# Altium PCB STM32_F407.PcbDoc (part 2 of 2)
Units mil, origin at the board's own origin, x right, y up, seen from the top; angles counter-clockwise.
Board outline 2935.42 x 3745.42 mil, 2 copper layers (TopLayer, BottomLayer); 75 components, 133 nets, 531 pads, 175 vias.
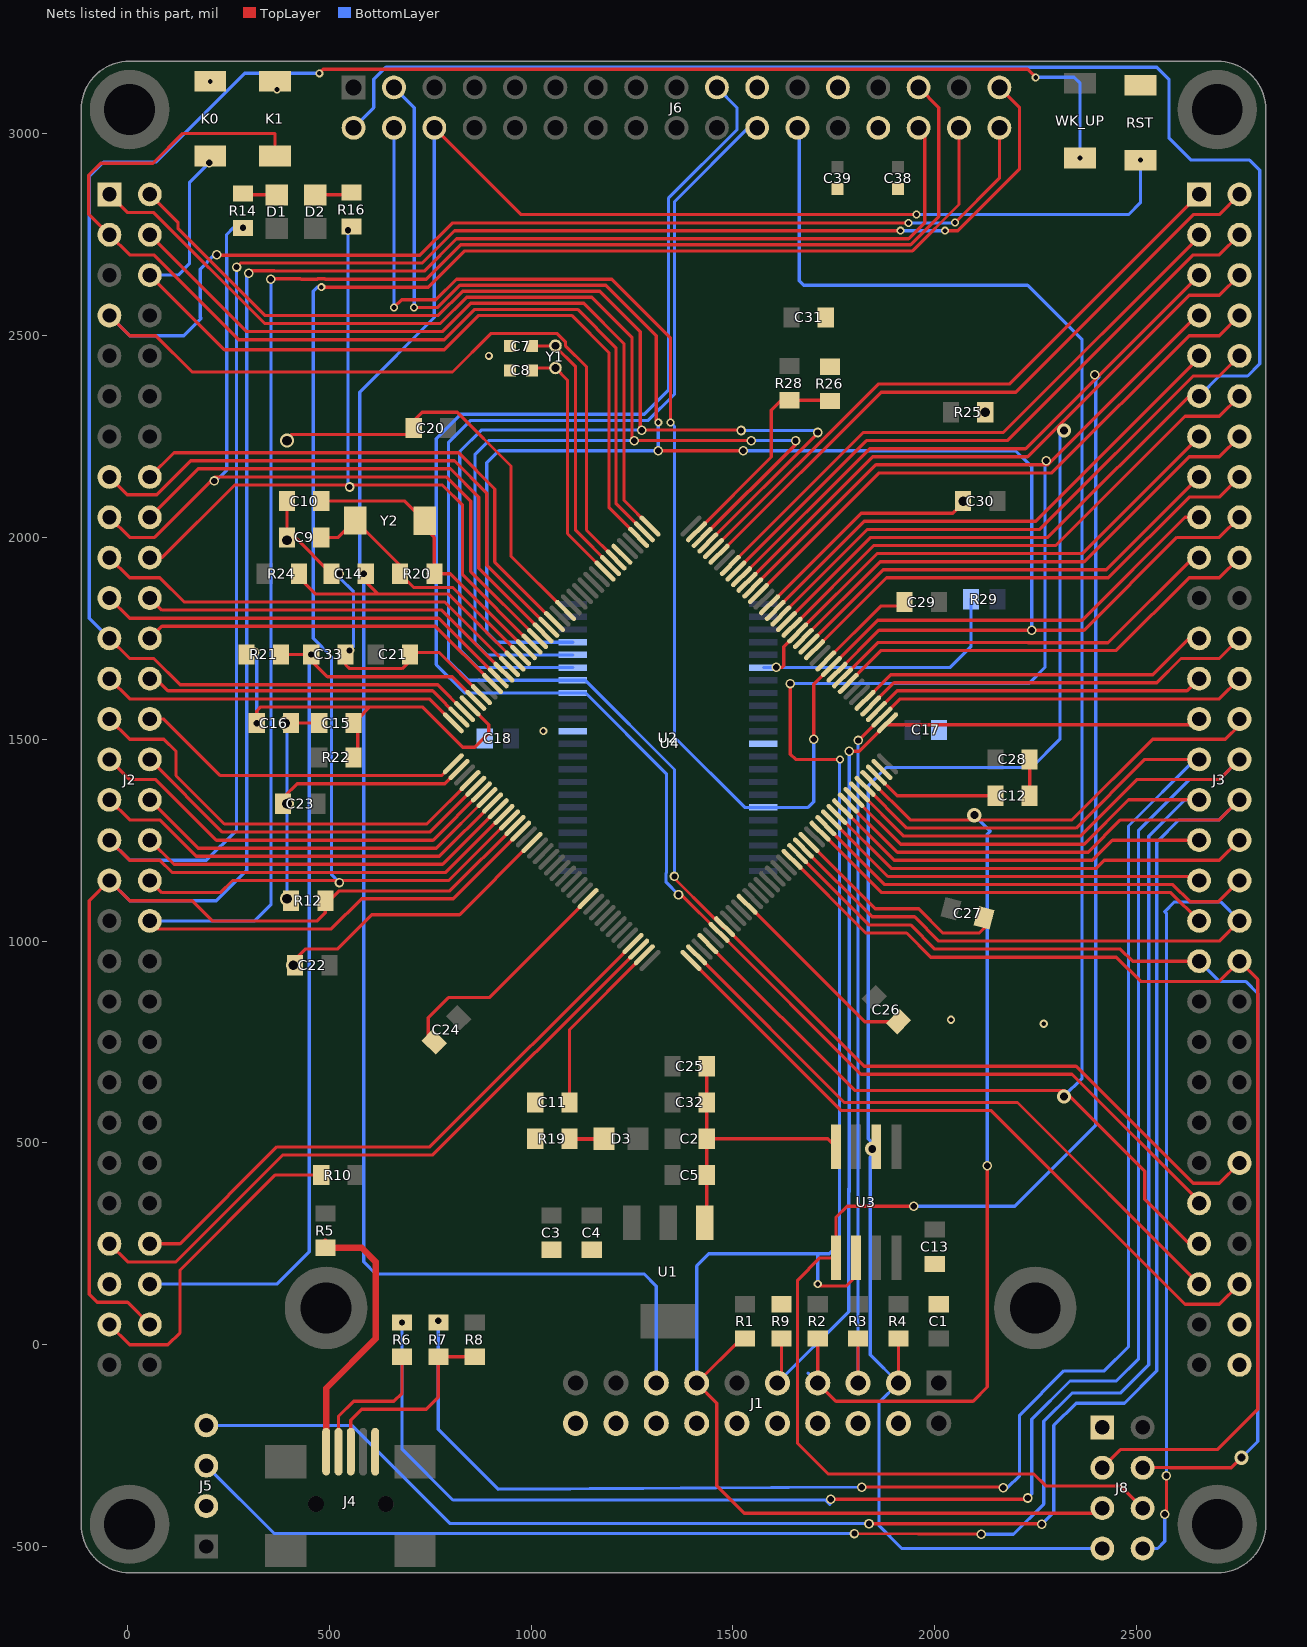
[diagram p2: the nets of this part, all layers, seen from the top]

## Via types
v1: diameter 23.62, hole 15.75, TopLayer to BottomLayer, 92 vias
v2: diameter 20, hole 12, TopLayer to BottomLayer, 62 vias
v3: diameter 35.43, hole 19.68, TopLayer to BottomLayer, 11 vias
v4: diameter 35.43, hole 23.62, TopLayer to BottomLayer, 10 vias

## Nets (pads, with @x,y where several pads share a name; then routed paths per layer and width w, separated by ;. In a path a pad name is that pad's centre, name@x,y a point inside that pad or via, vN(x,y) a via of type N, cw(c..) or ccw(c..) an arc to the next point about the centre after c; other vN are vias at no path point) (continued)
FSMC_D14: J3.51 J6.19 U2.37 U4.78 | length 4630.6
  TopLayer w8: v1(1365,1115) 1372.02,1115 U4.78@1465.4,1021.61 1817.02,670 2340,670 2655,355 J3.51@2655,350
  BottomLayer w8: v1(1365,1115) 1334.19,1145.81 1334.19,1168.62 1335,1169.43 1335,1415 1135.45,1614.55 U2.37@1102.91,1614.55 835.45,1614.55 765,1685 765,2245 825,2305 1280,2305 1340,2365 1340,2840 1510,3010 1510,3065 J6.19@1460,3115
FSMC_D15: J3.50 J6.22 U2.38 U4.79 | length 4576.3
  TopLayer w8: v1@1355,1155 1444.85,1065.15 1444.85,1065 U4.79@1476.82,1033.03 ; U4.79@1479.32,1035.53 1824.85,690 2350,690 2640,400 2705,400 J3.50@2755,450
  BottomLayer w8: v1(1355,1160) 1355,1425 1133.95,1646.05 U2.38@1102.91,1646.05 843.95,1646.05 795,1695 795,2235 850,2290 1290,2290 1355,2355 1355,2831.87 1538.13,3015 J6.22@1560,3015
FSMC_NBL0: J2.2 U2.39 U4.141 | length 3746.7
  TopLayer w8: J2.2@55,2850 125,2780 125,2765 340,2550 770,2550 830,2610 1170,2610 1270,2510 v1@1270,2265 ; v1(1274,2266) 1519,2266 v1(1520,2265) ; U4.141@1437.56,1986.23 1710,2258.66 v1(1710,2260)
  BottomLayer w8: U2.39@1102.91,1677.54 867.46,1677.54 823,1722 823,2213 876,2266 v1(1274,2266) ; v1(1520,2265) 1705,2265 v1(1710,2260)
FSMC_NBL1: J2.1 U2.40 U4.142 | length 3949.6
  TopLayer w8: J2.1@-45,2850 0,2805 65,2805 340,2530 775,2530 840,2595 1150,2595 1250,2495 v1@1250,2235 ; v1(1255,2240) v1(1545,2240) ; v1(1655,2240) v1@1655,2231.5 ; v1@1655,2231.5 1655,2230 1425.15,2000.15 U4.142@1423.64,2000.15 v1@1655,2231.5
  BottomLayer w8: U2.40@1102.91,1709.04 889.96,1709.04 861,1738 861,2206 895,2240 v1(1255,2240) ; v1(1545,2240) v1(1655,2240)
FSMC_NE3: J3.13 R29.1 U2.6 U4.125 | length 1966
  TopLayer w8: v1(1607,1678) 1622,1678 1626,1682 1626,1729.24 U4.125@1660.27,1763.52 1856.76,1960 2365,1960 J3.13@2655,2250
  BottomLayer w8: U2.6@1575.35,1677.54 2037.54,1677.54 2090,1730 R29.1@2090,1847
FSMC_NE4: J3.11 J6.2 U4.127 | length 4455.8
  TopLayer w8: U4.127@1632.44,1791.35 1841.08,2000 2280,2000 2630,2350 J3.11@2655,2350
  BottomLayer w8: J6.2@560,3015 610,3065 610,3135 640,3165 2550,3165 2580,3135 2580,2990 2635,2935 2780,2935 2805,2910 2805,2430 2775,2400 2705,2400 J3.11@2655,2350
FSMC_NOE: J3.18 J6.3 U2.41 U4.118 | length 5110.7
  TopLayer w8: v2(710,2570) 768.38,2570 823.38,2625 1185,2625 1310,2500 1310,2290 v2(1315,2285) ; v1(1315,2215) v1(1525,2215) ; U4.118@1757.71,1666.08 1861.63,1770 v1(2240,1770) 2370,1770 2600,2000 2705,2000 J3.18@2755,2050
  BottomLayer w8: J6.3@660,3115 710,3065 v2(710,2570) ; U2.41@1102.91,1740.54 914.46,1740.54 890,1765 890,2185 920,2215 v1(1315,2215) v2(1315,2285) ; v1(1525,2215) 2200,2215 2240,2175 v1(2240,1770)
FSMC_NWE: J3.17 J6.4 U2.17 U4.119 | length 4053.6
  TopLayer w8: v2(660,2570) 679,2589 764,2589 815,2640 1200,2640 1345,2495 v2(1345,2285) ; v1(1700,1500) 1700,1636.21 U4.119@1743.79,1680 1858.79,1795 1863.79,1795 2365,1795 2620,2050 J3.17@2655,2050
  BottomLayer w8: v2(660,2570) J6.4@660,3015 ; v2(1345,2285) 1355,2275 1355,1505 1528.91,1331.09 U2.17@1575.35,1331.09 1686.09,1331.09 1700,1345 v1(1700,1500)
GND: C1.1 C2.2 C3.2 C4.2 C5.2 C7.1 C8.1 C9.2 C10.2 C11.2 C12.2 C13.1 C14.1 C15.1 C16.1 C17.1 C18.1 C20.2 C21.2 C22.2 C23.2 C24.2 C25.2 C26.2 C27.2 C28.2 C29.2 C30.2 C31.2 C32.2 C33.2 C38.2 C39.2 J1.4 J1.6 J1.8 J1.10 J1.12 J1.14 J1.16 J1.18 J1.20 J2.55 J3.58 J3.60 J4.5 J5.2 J6.21 J6.25 J6.28 J8.1 K0.1 K1.1 R9.1 R12.2 R19.2 R25.2 R26.2 RST.2 U1.1 U2.12 U2.34 U3.4 U4.16 U4.31 U4.38 U4.51 U4.61 U4.83 U4.94 U4.107 U4.120 U4.130 | length 6936.3
  TopLayer w8: C23.2@387.5,1357.5 420,1390 785.66,1390 U4.38@820.93,1425.28 ; C10.2@395,2090 C9.2@395,2000 415,2000 C14.1@505,1910 ; v4@400,2250 405,2255 693,2255 C20.2@705,2267 ; C16.1@405,1540 C15.1@475,1540 ; C22.2@415,930 415,955 440,980 520,980 605,1065 822.56,1065 U4.51@1001.89,1244.32 ; C33.2@540,1710 540,1685 550,1675 680,1675 700,1695 C21.2@700,1705 ; C21.2@700,1710 C21.2@700,1705 ; C20.2@709,2271 C20.2@705,2267 ; C24.2@774.9,734.9 745,764.79 745,810 795,860 895.95,860 U4.61@1141.08,1105.13 ; U4.31@876.61,1610.4 772.02,1715 710,1715 C21.2@700,1705 ; U4.16@1085.4,1819.19 1083.94,1819.19 950,1953.13 950,2177 817,2310 730,2310 705,2285 C20.2@705,2267 ; U1.1@1430.55,302.05 1435,306.5 C5.2@1435,420 C2.2@1435,510 ; C25.2@1435,690 C32.2@1435,600 C2.2@1435,510 ; U4.83@1535,1091.21 1826.31,799.9 C26.2@1910.1,799.9 ; U4.130@1590.68,1833.11 1817.56,2060 2045,2060 C30.2@2060,2075 ; U4.94@1688.11,1244.32 1852.44,1080 1960,1080 2020,1020 2110,1020 2132.1,1042.1 C27.2@2132.1,1058 ; U4.120@1729.87,1693.92 1865.95,1830 C29.2@1925,1830 ; U3.4@1755,490 1735,510 C2.2@1435,510 ; C12.2@2235,1360 C28.2@2235,1450
  BottomLayer w8: v4(390,1540) 395,1535 v4(395,1340) v4(395,1105) ; v1(525,1910) 525,1900 560,1865 560,1730 v1(550,1720)
  other v2: 2270,795 2040,805 1030,1520 895,2450 370,3110 205,3130
  other v4: 410,940 395,1992.5 2070,2090 395,2240 2125,2310
KEY0: J2.6 K0.2 U4.3 | length 2155.5
  TopLayer w8: J2.6@55,2650 240,2465 785,2465 870,2550 1100,2550 1193,2457 1193,2073.5 U4.3@1266.36,2000.15
  BottomLayer w8: J2.6@55,2650 125,2650 153.28,2678.28 153.28,2879.28 v1(202,2928)
KEY1: J2.3 K1.2 U4.2 | length 2647
  TopLayer w8: K1.2@365,2944.96 365,3001 137,3001 63,2927 -67,2927 -96,2898 -96,2801 J2.3@-45,2750 5,2700 65,2700 275,2490 785,2490 860,2565 1115,2565 1210,2470 1210,2084.34 U4.2@1280.28,2014.07
LCD_BL: J3.53 J6.24 U4.76 | length 4632.3
  TopLayer w8: U4.76@1416.34,1015 U4.76@1437.56,993.77 1801.34,630 2320,630 2520,430 2520,360 2630,250 J3.53@2655,250
  BottomLayer w8: J6.24@1660,3015 1664,3011 1664,2636 1675,2625 2230,2625 2365,2490 2365,660 v3(2320,615)
LED0: J2.17 R14.2 U4.21 | length 2085.3
  TopLayer w8: J2.17@-45,2050 5,2000 67,2000 217,2150 790,2150 850,2090 850,1915.4 U4.21@1015.81,1749.6
  BottomLayer w8: v1(215,2140) 219,2140 245.81,2166.81 245.81,2699.43 245,2700.24 245,2750 262,2767 v1(286,2767)
LED1: J2.20 R16.2 U4.22 | length 1923.4
  TopLayer w8: J2.20@55,1950 85,1950 265,2130 780,2130 830,2080 830,1907.56 U4.22@1001.89,1735.68
  BottomLayer w8: v1(546,2761) 546,2129 v1(550,2125)
NetB1_1: 
NetC9_1: C9.1 R20.2 U4.24 Y2.2 | length 662.2
  TopLayer w8: C9.1@480,2000 522,2000 Y2.2@564,2042 675,1931 R20.2@675,1910 709,1876 805.89,1876 U4.24@974.05,1707.84
NetC10_1: C10.1 R20.1 U4.23 Y2.1 | length 722.3
  TopLayer w8: C10.1@480,2090 687,2090 Y2.1@736,2041 ; Y2.1@740,2041 740,2022 739,2021 760,2000 R20.1@760,1910 799.73,1910 U4.23@987.97,1721.76
NetC11_1: C11.1 U4.71 | length 442.7
  TopLayer w8: C11.1@1095,600 1095,780.66 U4.71@1280.28,965.93
NetC12_1: C12.1 U4.106 | length 316.1
  TopLayer w8: U4.106@1855.15,1411.36 1906.5,1360 C12.1@2150,1360
NetD1_2: D1.2 R14.1 | length 85.2
  TopLayer w8: R14.1@286,2852 289,2849 D1.2@370,2849
NetD2_2: D2.2 R16.1 | length 92.5
  TopLayer w8: D2.2@465,2849 549,2849 R16.1@555,2855
NetD3_2: D3.2 R19.1 | length 86
  TopLayer w10: R19.1@1095,510 D3.2@1181,510
NetJ2_57: J2.57 R10.1 | length 810.5
  TopLayer w8: J2.57@-45,50 5,0 100,0 130,30 130,185 365,420 R10.1@480,420
NetJ4_1: J4.1 R5.2 | length 666.7
  TopLayer w16: R5.2@490,255 505,240 580,240 615,205 615,15 492,-108 J4.1@492,-265
NetJ4_2: J4.2 R6.1 | length 359.2
  TopLayer w8: J4.2@522.5,-265.37 522.5,-177.5 560,-140 660,-140 680,-120 R6.1@680,-30
NetJ4_3: J4.3 R7.1 R8.1 | length 508.6
  TopLayer w8: J4.3@553,-265 553,-187 580,-160 740,-160 770,-130 R7.1@770,-30 R8.1@860,-30
NetR26_1: R26.1 R28.1 U4.143 | length 531
  TopLayer w8: U4.143@1409.72,2014.07 1595,2199.34 1595,2315 1620,2340 R28.1@1640,2340 R26.1@1738,2340
NRF_CE: J3.40 J8.3 U4.91 | length 2828.4
  TopLayer w8: U4.91@1646.35,1202.56 1828.92,1020 1930,1020 1990,960 2450,960 2510,900 2705,900 J3.40@2755,950 2800,905 2800,-160 2700,-260 2460,-260 J8.3@2415,-305
NRF_CS: J3.39 J8.4 U4.92 | length 2705.8
  TopLayer w8: U4.92@1660.27,1216.48 1836.76,1040 1940,1040 2000,980 2460,980 2490,950 J3.39@2655,950 ; J8.4@2515,-305 2515.81,-304.19 2582.62,-304.19 2583.43,-305 2735,-305 v3(2760,-280)
  BottomLayer w8: J3.39@2655,950 2705,900 2770,900 2800,870 2800,-240 v3(2760,-280)
NRF_IRQ: J3.38 J8.8 U4.93 | length 3043.8
  TopLayer w8: U4.93@1674.19,1230.4 1844.6,1060 1950,1060 2010,1000 2705,1000 J3.38@2755,1050 ; v1(2570,-420) 2574,-416 v1(2574,-325) 2574,-326 v1@2570,-330
  BottomLayer w8: J8.8@2515,-505 2552,-505 2570,-487 v1(2570,-420) ; v1(2574,-325) 2574,1069 2570,1073 2594,1097 2708,1097 J3.38@2755,1050
PA0/WK_UP: J2.23 U4.34 WK_UP.2 | length 4885
  TopLayer w8: J2.23@-45,1750 5,1700 65,1700 130,1635 768.5,1635 U4.34@834.85,1568.64 ; v2(475,3150) 485,3160 2230,3160 v2(2250,3140)
  BottomLayer w8: J2.23@-45,1750 -95,1800 -95,2895 -60,2930 70,2930 290,3150 v2(475,3150) ; v2(2250,3140) 2345,3140 2360,3125 v2(2360,2939.96)
PA1: J2.26 U4.35 | length 805.4
  TopLayer w8: J2.26@55,1650 70,1650 100,1620 755.66,1620 U4.35@820.93,1554.72
PA2: J2.25 U4.36 | length 897.2
  TopLayer w8: J2.25@-45,1650 5,1600 747.82,1600 U4.36@807.01,1540.81
PA3: J2.28 U4.37 | length 822.1
  TopLayer w8: J2.28@55,1550 90,1550 230,1410 777.82,1410 U4.37@807.01,1439.19
PA4: J2.27 U4.40 | length 1081.1
  TopLayer w8: J2.27@-45,1550 5,1500 90,1500 120,1470 120,1410 240,1290 741.34,1290 U4.40@848.77,1397.44
PA5: J2.30 U4.41 | length 929.3
  TopLayer w8: J2.30@55,1450 235,1270 749.18,1270 U4.41@862.69,1383.52
PA6: J2.29 U4.42 | length 1054
  TopLayer w8: J2.29@-45,1450 5,1400 70,1400 220,1250 757.01,1250 U4.42@876.61,1369.6
PA7: J2.32 U4.43 | length 937.3
  TopLayer w8: J2.32@55,1350 175,1230 764.85,1230 U4.43@890.53,1355.68
PA8: J3.33 U4.100 | length 957
  TopLayer w8: U4.100@1771.63,1327.84 1899.47,1200 2390,1200 2440,1250 J3.33@2655,1250
PA9/TXD1: J3.32 J5.4 U4.101 | length 5372.1
  TopLayer w8: U4.101@1785.55,1341.76 1907.31,1220 2380,1220 2460,1300 2705,1300 J3.32@2755,1350 ; v1(1837,-444) 2264,-444 v1(2265,-445)
  BottomLayer w8: J5.4@195,-200 555,-200 798,-443 1836,-443 v1(1837,-444) ; v1(2265,-445) 2295,-415 2295,-200 2350,-145 2470,-145 2550,-65 2550,1245 2605,1300 2705,1300 J3.32@2755,1350
PA10/RXD1: J3.31 J5.3 U4.102 | length 5119.9
  TopLayer w8: U4.102@1799.47,1355.68 1915.15,1240 2370,1240 2480,1350 J3.31@2655,1350 ; v1(1801,-468) v1(2115,-470)
  BottomLayer w8: J5.3@195,-300 363,-468 v1(1801,-468) ; v1(2115,-470) 2195,-470 2270,-395 2270,-190 2340,-120 2460,-120 2530,-50 2530,1260 2620,1350 J3.31@2655,1350
PA11/USB_DM: J3.30 R6.2 U4.103 | length 5143.2
  TopLayer w8: v1(1742,-383) v1@2230,-383 ; U4.103@1813.39,1369.6 1922.99,1260 2360,1260 2500,1400 2705,1400 J3.30@2755,1450
  BottomLayer w8: v1(680,55) 680,-259 806,-385 1729,-385 1740,-396 ; v1(2230,-380) 2240,-370 2240,-185 2335,-90 2450,-90 2505,-35 2505,1275 2630,1400 2705,1400 J3.30@2755,1450
PA12/USB_DP: J3.29 R7.2 U4.104 | length 4748.3
  TopLayer w8: v1(1819,-353) 2168,-353 v1(2170,-355) ; U4.104@1827.31,1383.52 1930.82,1280 2350,1280 2520,1450 J3.29@2655,1450
  BottomLayer w8: v1(770,59) 770,-210 918,-358 v1(1819,-353) ; v1(2170,-355) 2180,-355 2210,-325 2210,-175 2320,-65 2420,-65 2480,-5 2480,1285 2645,1450 J3.29@2655,1450
PA13/TMS: J1.7 J3.28 R2.2 U4.105 | length 3100.1
  TopLayer w8: R2.2@1710,15 J1.7@1710,-95 1755,-140 2095,-140 2130,-105 v1(2130,443) ; U4.105@1841.23,1397.44 1938.66,1300 2340,1300 2540,1500 2720,1500 2755,1535 J3.28@2755,1550
  BottomLayer w8: 1686,-71 J1.7@1710,-95 ; v3(2098,1312) 2137.64,1272.36 2130,1264.72 v1(2130,443)
PA14/TCK: J1.9 J3.27 R9.2 U4.109 | length 2661.8
  TopLayer w8: J1.9@1610,-95 1620,-85 R9.2@1620,15 ; v1(1788,1470) 1812.43,1470 1882.99,1540.55 U4.109@1882.99,1540.81 ; U4.109@1882.99,1535.81 2640.81,1535.81 J3.27@2655,1550
  BottomLayer w8: J1.9@1610,-95 1787,82 1787,386 ; 1788,379 v1(1788,1470)
PA15/TDI: J1.5 J3.26 R3.2 U4.110 | length 2710.4
  TopLayer w8: J1.5@1810,-95 R3.2@1810,15 ; v1(1810,1497) 1811.34,1497 U4.110@1869.07,1554.72 1914.34,1600 2705,1600 J3.26@2755,1650
  BottomLayer w8: J1.5@1810,-95 v1(1810,1497)
PB0: J2.33 J6.33 U4.46 | length 5095.1
  TopLayer w8: J2.33@-45,1250 5,1200 80,1200 110,1170 788.37,1170 U4.46@932.29,1313.92 ; v1(270,2670) 280,2680 730,2680 810,2760 v2(1915,2760) ; v2(2025,2760) 2056.87,2760 2210,2913.13 2210,3065 J6.33@2160,3115
  BottomLayer w8: J2.33@-45,1250 5,1200 195,1200 270,1275 v1(270,2670) ; v2(1915,2760) v2(2025,2760)
PB1: J2.36 J6.32 U4.47 | length 4349.2
  TopLayer w8: J2.36@55,1150 85,1120 230,1120 260,1150 796.21,1150 U4.47@946.21,1300 ; v2(480,2620) 745,2620 835,2710 1945,2710 2060,2825 J6.32@2060,3015
  BottomLayer w8: v2(480,2620) 470,2620 460,2610 460,1750 505,1705 505,1165 v1(525,1145)
PB2/BOOT1: J2.35 J2.58 J6.30 R12.1 U4.48 | length 6236
  TopLayer w8: J2.58@55,50 0,105 -75,105 -95,125 -95,1100 J2.35@-45,1150 5,1100 160,1100 210,1050 470,1050 490,1070 R12.1@490,1090 ; v1(300,2655) 305.81,2660.81 363.62,2660.81 364.43,2660 735,2660 815,2740 1935,2740 1975,2780 1975,3000 J6.30@1960,3015 ; R12.1@490,1100 R12.1@490,1090 ; U4.48@960.13,1286.08 798.24,1124.19 524.19,1124.19 R12.1@490,1090
  BottomLayer w8: J2.35@-45,1150 5,1100 220,1100 295,1175 295,1705.57 294.19,1706.38 294.19,1723.62 295,1724.43 295,2650 v1(300,2655)
PB3/TDO: J1.13 J3.7 J8.5 R1.2 U3.6 U4.133 | length 6363.6
  TopLayer w8: R1.2@1530,15 1520,15 J1.13@1410,-95 1460,-145 1460,-350 1527.81,-417.81 2402.19,-417.81 J8.5@2415,-405 ; U4.133@1548.92,1874.87 1854.05,2180 2280,2180 2650,2550 J3.7@2655,2550 ; v1(1642,1638) 1642,1463 1655,1450 v2(1765,1450) ; v2(1710,150) 1715,145 1780,145 1805,170 U3.6@1805,215
  BottomLayer w8: J1.13@1410,-95 1410,195 1440,225 1710,225 ; v1(1642,1638) 2233,1638 2273,1678 v1@2273,2180 ; v2(1710,150) 1710,225 ; v2(1765,1450) 1764,1450 1764,250 1739,225 1710,225
  other v1: 2276,2190
PB4/TRST: J1.3 J3.6 J8.7 R4.2 U3.2 U4.134 | length 5430.7
  TopLayer w8: U4.134@1535,1888.79 1846.21,2200 2230,2200 2630,2600 2705,2600 J3.6@2755,2650 ; J1.3@1910,-95 R4.2@1910,15
  BottomLayer w8: v3(1845,485) v3@1860,485 ; v3@2310,2270 2310,1500 2240,1430 1880,1430 1835,1385 1835,510 v3@1860,485 ; J8.7@2415,-505 1918,-505 1862,-449 1862,-143 J1.3@1910,-95 1840,-25 1840,465 v3@1860,485
  other v3: 2320,2265
PB5: J3.5 J8.6 U3.5 U4.135 | length 5583.7
  TopLayer w8: U4.135@1521.08,1902.71 1838.37,2220 2225,2220 J3.5@2655,2650 ; v1(1948,343) 1783,343 1755,315 U3.5@1755,215 1715,215 1660,160 1660,-245 1735.5,-320.5 2245.5,-320.5 2275,-350 2460,-350 J8.6@2515,-405
  BottomLayer w8: v1(1948,343) 2198,343 2399,544 2399,2390 2407,2398
  other v1: 2396,2403
PB6: J3.4 U4.136 | length 1593
  TopLayer w8: U4.136@1507.16,1916.63 1830.53,2240 2180,2240 2640,2700 2705,2700 J3.4@2755,2750
PB7: J3.3 U4.137 | length 1504.1
  TopLayer w8: U4.137@1493.24,1930.55 1822.69,2260 2170,2260 2655,2745 J3.3@2655,2750
PB8: J3.2 U4.139 | length 1658.9
  TopLayer w8: U4.139@1465.4,1958.39 1867.01,2360 2200.41,2360 2640.41,2800 2705,2800 J3.2@2755,2850
PB9: J3.1 U4.140 | length 1567.1
  TopLayer w8: U4.140@1451.48,1972.31 1451.74,1972.31 1859.43,2380 2185,2380 J3.1@2655,2850
PB10: J2.54 U4.69 | length 1505.5
  TopLayer w8: J2.54@55,250 130,250 370,490 748.66,490 U4.69@1252.44,993.77
PB11: J2.53 U4.70 | length 1651
  TopLayer w8: J2.53@-45,250 0,205 120,205 385,470 756.5,470 U4.70@1266.36,979.85
PB12: J3.56 U4.73 | length 1732.8
  TopLayer w8: U4.73@1395.81,952.01 1767.82,580 2140,580 2620,100 2705,100 J3.56@2755,150
PB13: J3.55 U4.74 | length 1583.2
  TopLayer w8: U4.74@1409.72,965.93 1775.66,600 2205,600 J3.55@2655,150
PC0: J2.19 U4.26 | length 1103
  TopLayer w8: J2.19@-45,1950 5,1900 80,1900 140,1840 786.21,1840 U4.26@946.21,1680
PC1: J2.22 U4.27 | length 953.5
  TopLayer w8: J2.22@55,1850 85,1820 778.37,1820 U4.27@932.29,1666.08
PC2: J2.21 U4.28 | length 1045.3
  TopLayer w8: J2.21@-45,1850 5,1800 770.53,1800 U4.28@918.37,1652.16
PC3: J2.24 U4.29 | length 920.6
  TopLayer w8: J2.24@55,1750 85,1780 762.69,1780 U4.29@904.45,1638.24
PC4: J2.31 U4.44 | length 1062
  TopLayer w8: J2.31@-45,1350 5,1300 80,1300 170,1210 772.69,1210 U4.44@904.45,1341.76
PC5: J2.34 U4.45 | length 945.3
  TopLayer w8: J2.34@55,1250 115,1190 780.53,1190 U4.45@918.37,1327.84
PC6: J3.37 U4.96 | length 1031.1
  TopLayer w8: U4.96@1715.95,1272.16 1868.11,1120 2585,1120 J3.37@2655,1050
PC7: J3.36 U4.97 | length 1125
  TopLayer w8: U4.97@1729.87,1286.08 1875.95,1140 2590,1140 2632.5,1097.5 2702.5,1097.5 2735,1130 J3.36@2755,1150
PC8: J3.35 U4.98 | length 973.3
  TopLayer w8: U4.98@1743.79,1300 1883.79,1160 2645,1160 J3.35@2655,1150
PC9: J3.34 U4.99 | length 1081.8
  TopLayer w8: U4.99@1757.71,1313.92 1891.63,1180 2400,1180 2420,1200 2705,1200 J3.34@2755,1250
PC10: J3.25 U4.111 | length 833.6
  TopLayer w8: U4.111@1855.15,1568.64 1906.5,1620 2625,1620 J3.25@2655,1650
PC11: J3.24 U4.112 | length 983.1
  TopLayer w8: U4.112@1841.23,1582.56 1898.66,1640 2550,1640 2610,1700 2705,1700 J3.24@2755,1750
PC12: J3.23 U4.113 | length 891.3
  TopLayer w8: U4.113@1827.31,1596.48 1890.82,1660 2540,1660 2630,1750 J3.23@2655,1750
PC13: J2.7 J6.34 U4.7 | length 4425.4
  TopLayer w8: J2.7@-45,2550 5,2500 70,2500 160,2410 805,2410 900,2505 1065,2505 1084.75,2485.25 1084.75,2475.25 1137,2423 1137,2018.15 U4.7@1210.68,1944.47 ; v1(220.81,2700) 216.62,2700 215.81,2699.19 724.19,2699.19 804,2779 v2(1935,2779) ; v2(2050,2780) 2160,2890 J6.34@2160,3015
  BottomLayer w8: J2.7@-45,2550 5,2500 139,2500 182,2543 180,2545 180,2665 215,2700 v1(220.81,2700) ; v2(1935,2779) 2049,2779 v2(2050,2780)
PC14: C7.2 U4.8 Y1.2 | length 657.5
  TopLayer w8: C7.2@1002,2474 1059,2474 1110,2423 1110,2017.31 U4.8@1196.76,1930.55
PC15: C8.2 U4.9 Y1.1 | length 614.7
  TopLayer w8: C8.2@1002,2414 1008,2420 Y1.1@1060,2420 1090,2390 1090,2009.47 U4.9@1182.84,1916.63
PD2: J3.20 U4.116 | length 1098.6
  TopLayer w8: U4.116@1785.55,1638.24 1867.31,1720 2450,1720 2630,1900 2705,1900 J3.20@2755,1950
PD3: J3.19 U4.117 | length 1007.4
  TopLayer w8: U4.117@1771.63,1652.16 1859.47,1740 2230.57,1740 2231.38,1739.19 2429.19,1739.19 2640,1950 J3.19@2655,1950
PD6: J3.16 U4.122 | length 1230.4
  TopLayer w8: U4.122@1702.03,1721.76 1880.27,1900 2430,1900 2630,2100 2705,2100 J3.16@2755,2150
PD7: J3.15 U4.123 | length 1138.5
  TopLayer w8: U4.123@1688.11,1735.68 1872.44,1920 2425,1920 J3.15@2655,2150
PE2: J2.4 U4.1 | length 1823.4
  TopLayer w8: J2.4@55,2750 295,2510 780,2510 850,2580 1130,2580 1230,2480 1230,2092.18 U4.1@1294.19,2027.99
PF6: J2.16 U4.18 | length 1306.9
  TopLayer w8: J2.16@55,2150 115,2210 820,2210 910,2120 910,1938.92 U4.18@1057.56,1791.35
PF7: J2.15 U4.19 | length 1417.4
  TopLayer w8: J2.15@-45,2150 -1,2106 72,2106 156,2190 810,2190 890,2110 890,1931.08 U4.19@1043.65,1777.44
PF8: J2.18 U4.20 | length 1296.3
  TopLayer w8: J2.18@55,2050 175,2170 800,2170 870,2100 870,1923.24 U4.20@1029.73,1763.52
PF11: J2.38 J6.29 U4.49 | length 4955.5
  TopLayer w8: J2.38@55,1050 75,1030 505,1030 580,1105 806.89,1105 U4.49@974.05,1272.16 ; v1(355,2640) 355.81,2640.81 428.62,2640.81 429.43,2640 470.57,2640 471.38,2640.81 488.62,2640.81 489.43,2640 740,2640 825,2725 1940,2725 2010,2795 2010,3065 J6.29@1960,3115
  BottomLayer w8: J2.38@55,1050 315,1050 355,1090 v1(355,2640)
PG9: J3.14 U4.124 | length 1288.1
  TopLayer w8: U4.124@1674.19,1749.6 1864.6,1940 2370,1940 2630,2200 2705,2200 J3.14@2755,2250
PG11: J3.12 U4.126 | length 1345.8
  TopLayer w8: U4.126@1646.35,1777.44 1848.92,1980 2300,1980 2620,2300 2705,2300 J3.12@2755,2350
PG13: J3.10 U4.128 | length 1403.5
  TopLayer w8: U4.128@1618.52,1805.27 1833.24,2020 2260,2020 2640,2400 2705,2400 J3.10@2755,2450
PG14: J3.9 U4.129 | length 1314.6
  TopLayer w8: U4.129@1604.6,1819.19 1825.4,2040 2250,2040 2655,2445 J3.9@2655,2450
PG15: J3.8 U4.132 | length 1477.6
  TopLayer w8: U4.132@1562.84,1860.95 1861.89,2160 2290,2160 2630,2500 2705,2500 J3.8@2755,2550
RESET: C14.2 J1.15 J6.6 R24.1 RST.1 U4.25 | length 6500
  TopLayer w8: R24.1@440,1910 440,1885 465,1860 620,1860 ; C14.2@592.73,1887.27 620,1860 ; J6.6@760,3015 975,2800 v2(1955,2800) ; U4.25@960.13,1693.92 794.05,1860 620,1860
  BottomLayer w8: J6.6@760,3015 760,2545 575,2360 575,1920 v1(585,1910) 585,205 615,175 1280,175 1310,145 J1.15@1310,-95 ; v2(1955,2800) 2480,2800 2510,2830 v2(2510,2935)
VBAT: U4.6
VDDA: C15.2 C16.2 R21.2 R22.1 U4.33 | length 1068.3
  TopLayer w8: v1(320,1540) 320,1570 330,1580 600,1580 ; R22.1@565,1465 570,1470 570,1550 600,1580 ; U4.33@848.77,1582.56 895,1536.34 895,1515 860,1480 830,1480 730,1580 600,1580
  BottomLayer w8: v1(315,1715) 320,1720 v1(320,1540)
VREF+: C33.1 J2.56 R21.1 U4.32 | length 2456.5
  TopLayer w8: R21.1@380,1720 390,1710 v1(455,1710) 455,1695 495,1655 804.18,1655 U4.32@862.69,1596.48
  BottomLayer w8: J2.56@55,150 370,150 450,230 450,1330.57 449.19,1331.38 449.19,1348.62 450,1349.43 450,1710 v1(455,1710)
pads on no net: J1.11 J1.17 J1.19 J4. J4.4 J6.31 U1.4

## Polygon pours and split planes (outlines as drawn)
GND on BottomLayer "TopLayer-No Net" (solid, pour order 6): -125,3195 2810,3195 2830,3175 2830,-585 -105,-585 -120,-570
GND on TopLayer "TopLayer-No Net" (solid, pour order 8): -115,3180 2820,3180 2820,-565 2830,-575 2825,-570 -115,-570

## Keep-outs
KeepOutLayer:
  the board outline again, w8

## Silkscreen, mask and mechanical layers (free items; w line width, h text height)
TopOverlay:
  region: 2345,-155 2280,-155 2280,-215 2345,-215
  text "K0" at 225,3055 h35 r180
  text "K1" at 385,3055 h35 r180
  text "UP" at 2380,3040 h35 r180
  text "RS" at 2530,3040 h35 r180
  text "STM32F407ZET6" at 1510,2930 h80 r180
  text "PE1" at 170,2880 h32 r225
  text "PE0" at 235,2865 h32 r225
  text "PB9" at 2455,2825 h32 r180
  text "PB8" at 2574.75,2824.75 h32 r180
  text "PE3" at 170,2790 h32 r225
  text "PE2" at 240,2785 h32 r225
  text "PB7" at 2455,2760 h32 r180
  text "PB6" at 2575,2760 h32 r180
  text "PE5" at 170,2700 h32 r225
  text "PE4" at 240,2690 h32 r225
  text "PB5" at 2450,2665 h32 r180
  text "PB4" at 2575,2665 h32 r180
  text "PB3" at 2440,2565 h32 r180
  text "PG15" at 2580,2565 h32 r180
  text "PC13" at 230,2560 h32 r180
  text "PE6" at 330,2560 h32 r180
  text "PF1" at 205,2465 h32 r180
  text "PG14" at 2445,2465 h32 r180
  text "PG13" at 2580,2465 h32 r180
  text "PF0" at 330,2460 h32 r180
  text "PF3" at 210,2365 h32 r180
  text "PF2" at 330,2365 h32 r180
  text "PG12" at 2435,2365 h32 r180
  text "PG11" at 2575,2365 h32 r180
  text "PF5" at 205,2265 h32 r180
  text "PF4" at 320,2263.58 h32 r180
  text "PG10" at 2425,2260 h32 r180
  text "PG9" at 2570,2260 h32 r180
  text "PF7" at 205,2175 h32 r180
  text "PF6" at 310,2175 h32 r180
  text "PD6" at 2570,2165 h32 r180
  text "PD7" at 2450,2160 h32 r180
  text "PF9" at 170,2105 h32 r225
  text "PF8" at 225,2095 h32 r225
  text "PD5" at 2450,2065 h32 r180
  text "PD4" at 2570,2065 h32 r180
  text "PC0" at 175,1990 h32 r225
  text "PF10" at 235,1970 h32 r225
  text "PD3" at 2435,1970 h32 r180
  text "PD2" at 2570,1970 h32 r180
  text "PC2" at 195,1865 h32 r225
  text "PC1" at 260,1865 h32 r225
  text "PD1" at 2435,1865 h32 r180
  text "PD0" at 2570,1865 h32 r180
  text "PA0" at 170,1780 h32 r225
  text "PC3" at 235,1770 h32 r225
  text "PC12" at 2440,1765 h32 r180
  text "PC11" at 2570,1765 h32 r180
  text "PC10" at 2425,1670 h32 r180
  text "PA2" at 195,1660 h32 r180
  text "PA1" at 295,1660 h32 r180
  text "PA15" at 2570,1660 h32 r180
  text "PA14" at 2425,1570 h32 r180
  text "PA13" at 2580,1570 h32 r180
  text "PA4" at 200,1550 h32 r180
  text "PA3" at 305,1550 h32 r180
  text "PA6" at 205,1460 h32 r180
  text "PA12" at 2460,1460 h32 r180
  text "PA11" at 2580,1460 h32 r180
  text "PA5" at 325,1455 h32 r180
  text "PC4" at 205,1365 h32 r180
  text "PA7" at 325,1365 h32 r180
  text "PA10" at 2460,1365 h32 r180
  text "PA9" at 2580,1365 h32 r180
  text "PA8" at 2460,1270 h32 r180
  text "PC9" at 2580,1270 h32 r180
  text "PB0" at 210,1260 h32 r180
  text "PC5" at 335,1260 h32 r180
  text "PB1" at 335,1165 h32 r180
  text "PC8" at 2460,1165 h32 r180
  text "PC7" at 2580,1165 h32 r180
  text "PB2" at 220,1160 h32 r180
  text "PC6" at 2465,1070 h32 r180
  text "PG8" at 2580,1070 h32 r180
  text "PF12" at 225,1065 h32 r180
  text "PF11" at 360,1065 h32 r180
  text "PF14" at 225,970 h32 r180
  text "PG7" at 2465,965 h32 r180
  text "PG6" at 2580,965 h32 r180
  text "PF13" at 360,960 h32 r180
  text "PG0" at 210,870 h32 r180
  text "PF15" at 345,870 h32 r180
  text "PG5" at 2465,865 h32 r180
  text "PG4" at 2580,865 h32 r180
  text "PE7" at 215,770 h32 r180
  text "PG1" at 340,770 h32 r180
  text "PG2" at 2580,770 h32 r180
  text "PG3" at 2447.57,767.17 h32 r180
  text "STM32F4XX" at 2120,670 h100 r180
  text "PD14" at 2585,670 h32 r180
  text "PD15" at 2433.57,668.04 h32 r180
  text "PE9" at 210,660 h32 r180
  text "PE8" at 340,660 h32 r180
  text "PD12" at 2585,570 h32 r180
  text "PD13" at 2431.65,568.35 h32 r180
  text "PE11" at 215,565 h32 r180
  text "PE10" at 340,565 h32 r180
  text "PD11" at 2438,470 h32 r180
  text "PD10" at 2585,470 h32 r180
  text "PE13" at 225,465 h32 r180
  text "PE12" at 350,465 h32 r180
  text "PE15" at 225,370 h32 r180
  text "PE14" at 350,370 h32 r180
  text "PD9" at 2438,370 h32 r180
  text "PD8" at 2580,370 h32 r180
  text "PB15" at 2450,275 h32 r180
  text "PB14" at 2580,275 h32 r180
  text "PB11" at 220,270 h32 r180
  text "PB10" at 350,270 h32 r180
  text "GND" at 210,180 h32 r180
  text "VREF+" at 375,180 h32 r180
  text "PB13" at 2450,180 h32 r180
  text "PB12" at 2590,180 h32 r180
  text "3V3" at 2470,80 h35 r180
  text "GND" at 2590,80 h32 r180
  text "BT0" at 215,65 h32 r180
  text "BT1" at 340,65 h32 r180
  text "5V" at 2460,-20 h35 r180
  text "GND" at 2585,-25 h32 r180
  text "3V3" at 215,-40 h32 r180
  text "3V3" at 340,-40 h32 r180
  text "TX" at 320,-175 h32 r180
  text "1" at 2330,-245 h35 r90
  text "RX" at 320,-280 h32 r180
  text "GND" at 340,-390 h32 r180
  text "JTAG/SWD" at 1315,-470 h80 r180
  text "5V" at 310,-490 h32 r180
  text "NRF2401" at 2325,-530 h65 r90
BottomOverlay:
  text "BAT" at 2075,2230 h78.74 r180
  text "1507" at 1385,840 h45 r180
  text "V2.0" at 980,835 h45 r180
  text "STM32_F4XX" at 970,710 h60 r180
  text "STM32F4XX" at 1135,100 h160 r180

## Dimensions
2700,3180.21 to 2700,-565.21 on TopOverlay
-115.21,-445 to 2820.21,-445 on TopOverlay